# Altium PCB JTAG-批量下载V06.PcbDoc (part 2 of 13) (continued)
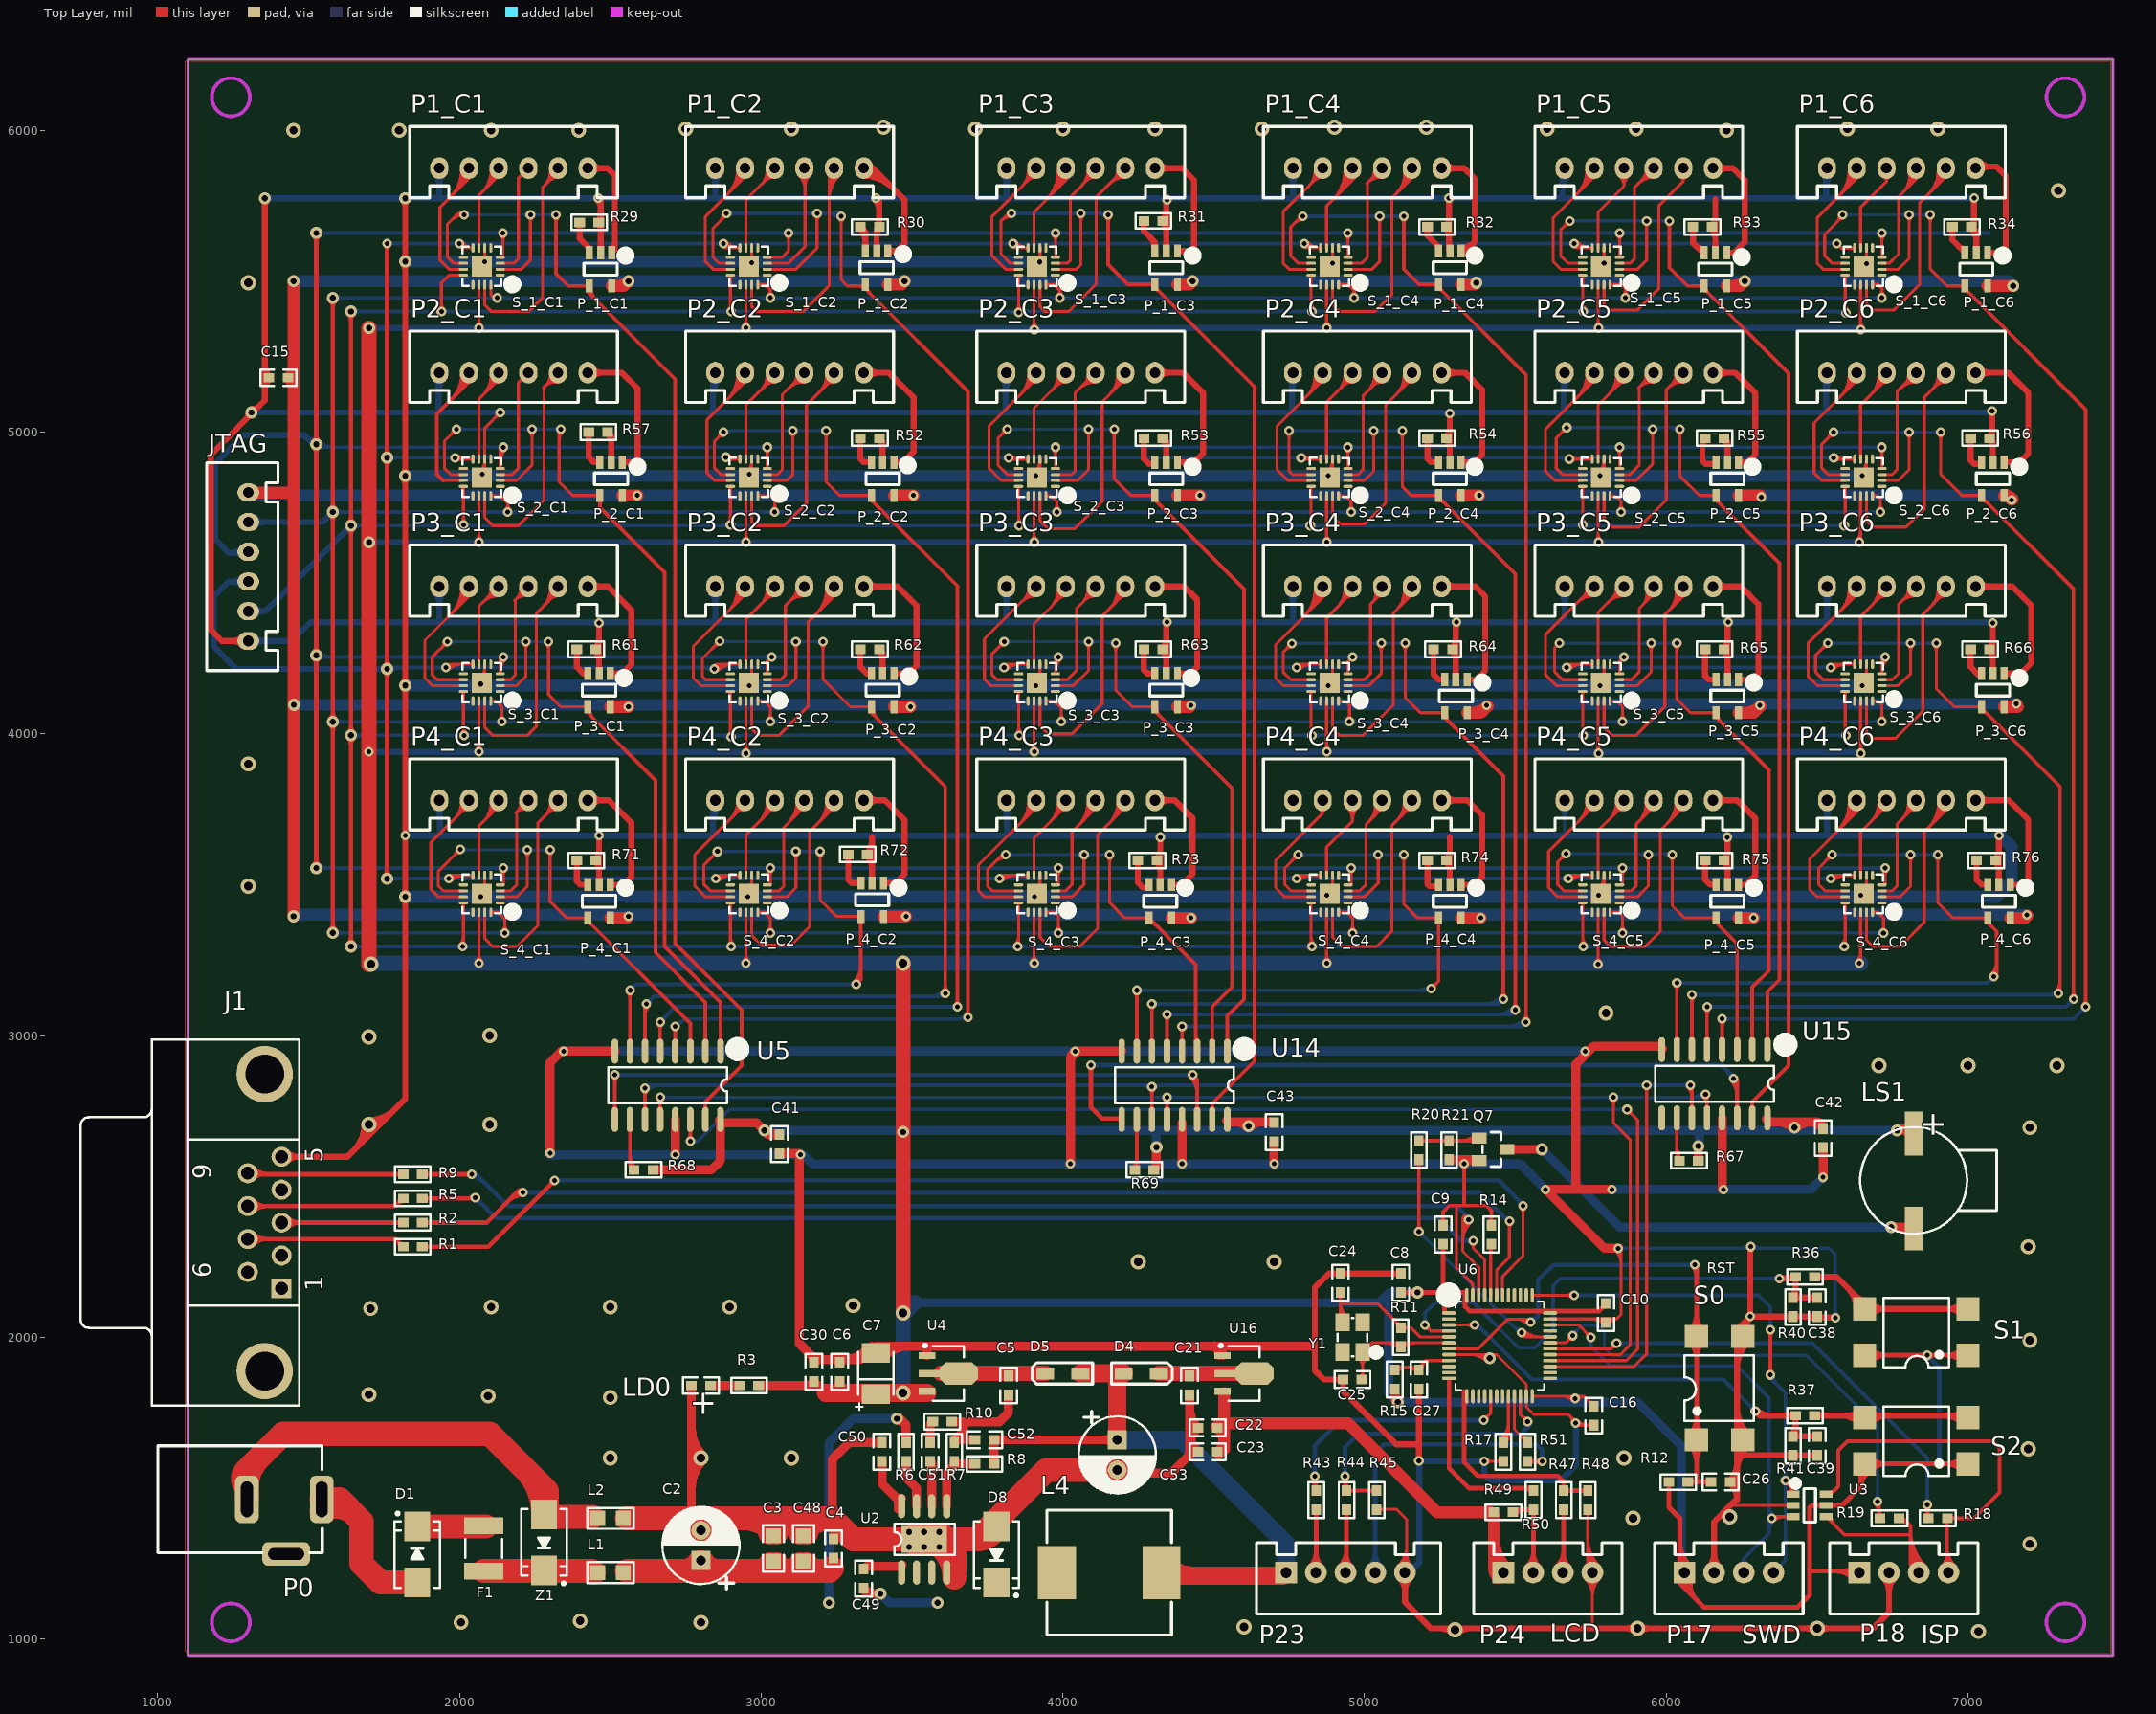
[diagram p0: Top Layer view]
## Nets (pads, with @x,y where several pads share a name; then routed paths per layer and width w, separated by ;. In a path a pad name is that pad's centre, name@x,y a point inside that pad or via, vN(x,y) a via of type N, cw(c..) or ccw(c..) an arc to the next point about the centre after c; other vN are vias at no path point) (continued)
  Top Layer w30: R68.1@2650,2555 2835,2555 2865,2585 2865,2710 2985,2710 3023.5,2671.5 C41.1@3060,2671.5 ; R3.1@2991.5,1840 C30.1@3170,1840 ; C30.1@3175,1853.5 3213.5,1815 ; 3260,1820 C6.1@3260,1853.5 ; R69.1@4301.5,2555 4310,2563.5 v3(4310,2630) ; 4558.5,2713.5 C43.1@4690,2713.5 ; v3@5100,1795 R15.2@5100,1828.5 ; R67.1@6106.5,2585 v3(6106.5,2633.5) ; U15.16@6341.5,2713.5 6497.99,2713.5 ; C42.1@6520,2691.5 6497.99,2713.5 ; LS1.1@6820,2690 v3@6770,2690 ; U5.16@2862.05,2718.86 ccw(c2883.44,2740.25) 2883.44,2710 ; U5.16@2862.05,2718.86 ccw(c2883.44,2740.25) 2883.44,2710 ; U5.16@2862.05,2718.86 ccw(c2883.44,2740.25) 2883.44,2710 ; v3@3013.54,2688.54 ccw(c3054.67,2729.67) C41.1@3054.67,2671.5 ; v3@3013.54,2688.54 ccw(c3054.67,2729.67) C41.1@3054.67,2671.5 ; v3@3013.54,2688.54 ccw(c3054.67,2729.67) C41.1@3054.67,2671.5 ; 3145.34,1840 ccw(c3145.34,1881.19) C30.1@3174.47,1852.06 ; 3145.34,1840 ccw(c3145.34,1881.19) C30.1@3174.47,1852.06 ; 3145.34,1840 ccw(c3145.34,1881.19) C30.1@3174.47,1852.06 ; 3316,1815 cw(c3316,1762.85) C7.1@3352.88,1799.73 ; 3316,1815 cw(c3316,1762.85) C7.1@3352.88,1799.73 ; 3316,1815 cw(c3316,1762.85) C7.1@3352.88,1799.73 ; 3330.07,1815 ccw(c3330.07,1847.25) C7.1@3352.88,1824.45 ; 3330.07,1815 ccw(c3330.07,1847.25) C7.1@3352.88,1824.45 ; 3330.07,1815 ccw(c3330.07,1847.25) C7.1@3352.88,1824.45 ; C7.1@3407.12,1799.73 cw(c3444,1762.85) 3444,1815 ; C7.1@3407.12,1799.73 cw(c3444,1762.85) 3444,1815 ; C7.1@3407.12,1799.73 cw(c3444,1762.85) 3444,1815 ; C7.1@3407.12,1824.45 ccw(c3429.93,1847.25) 3429.93,1815 ; C7.1@3407.12,1824.45 ccw(c3429.93,1847.25) 3429.93,1815 ; C7.1@3407.12,1824.45 ccw(c3429.93,1847.25) 3429.93,1815 ; R69.1@4302.94,2555.53 ccw(c4285.88,2572.58) 4310,2572.58 ; R69.1@4302.94,2555.53 ccw(c4285.88,2572.58) 4310,2572.58 ; R69.1@4302.94,2555.53 ccw(c4285.88,2572.58) 4310,2572.58 ; U14.16@4542.05,2718.86 ccw(c4554.98,2731.79) U14.16@4554.98,2713.5 ; U14.16@4542.05,2718.86 ccw(c4554.98,2731.79) U14.16@4554.98,2713.5 ; U14.16@4542.05,2718.86 ccw(c4554.98,2731.79) U14.16@4554.98,2713.5 ; U14.16@4542.05,2718.86 ccw(c4554.98,2731.79) U14.16@4554.98,2713.5 ; U14.16@4542.05,2718.86 ccw(c4554.98,2731.79) U14.16@4554.98,2713.5 ; U14.16@4542.05,2718.86 ccw(c4554.98,2731.79) U14.16@4554.98,2713.5 ; 4570.33,2713.5 cw(c4570.33,2655.33) v3@4611.46,2696.46 ; 4570.33,2713.5 cw(c4570.33,2655.33) v3@4611.46,2696.46 ; 4570.33,2713.5 cw(c4570.33,2655.33) v3@4611.46,2696.46 ; v3@4618.54,2696.46 cw(c4659.67,2655.33) 4659.67,2713.5 ; v3@4618.54,2696.46 cw(c4659.67,2655.33) 4659.67,2713.5 ; v3@4618.54,2696.46 cw(c4659.67,2655.33) 4659.67,2713.5 ; R15.2@5100,1821.21 ccw(c5146.21,1821.21) v3@5113.54,1788.54 ; R15.2@5100,1821.21 ccw(c5146.21,1821.21) v3@5113.54,1788.54 ; R15.2@5100,1821.21 ccw(c5146.21,1821.21) v3@5113.54,1788.54 ; U15.16@6332.05,2723.86 ccw(c6357.05,2748.86) 6357.05,2713.5 ; U15.16@6332.05,2723.86 ccw(c6357.05,2748.86) 6357.05,2713.5 ; U15.16@6332.05,2723.86 ccw(c6357.05,2748.86) 6357.05,2713.5 ; 6368.26,2713.5 cw(c6368.26,2638.26) v3@6421.46,2691.46 ; 6368.26,2713.5 cw(c6368.26,2638.26) v3@6421.46,2691.46 ; 6368.26,2713.5 cw(c6368.26,2638.26) v3@6421.46,2691.46 ; 6407.32,2712.68 cw(c6409.32,2710.68) 6409.32,2713.5 ; 6407.32,2712.68 cw(c6409.32,2710.68) 6409.32,2713.5 ; 6407.32,2712.68 cw(c6409.32,2710.68) 6409.32,2713.5 ; v3@6428.54,2691.46 cw(c6481.74,2638.26) 6481.74,2713.5 ; v3@6428.54,2691.46 cw(c6481.74,2638.26) 6481.74,2713.5 ; v3@6428.54,2691.46 cw(c6481.74,2638.26) 6481.74,2713.5 ; 6440.68,2713.5 cw(c6440.68,2710.68) 6442.68,2712.68 ; 6440.68,2713.5 cw(c6440.68,2710.68) 6442.68,2712.68 ; 6440.68,2713.5 cw(c6440.68,2710.68) 6442.68,2712.68 ; 6469.81,2713.5 cw(c6469.81,2643.28) C42.1@6519.47,2692.94 ; 6469.81,2713.5 cw(c6469.81,2643.28) C42.1@6519.47,2692.94 ; 6469.81,2713.5 cw(c6469.81,2643.28) C42.1@6519.47,2692.94 ; 6497.99,2713.5 cw(c6497.99,2692.21) C42.1@6519.25,2693.42 ; 6497.99,2713.5 cw(c6497.99,2692.21) C42.1@6519.25,2693.42 ; 6497.99,2713.5 cw(c6497.99,2692.21) C42.1@6519.25,2693.42 ; v3@6768.54,2681.46 cw(c6789.14,2660.86) 6789.14,2690 ; v3@6768.54,2681.46 cw(c6789.14,2660.86) 6789.14,2690 ; v3@6768.54,2681.46 cw(c6789.14,2660.86) 6789.14,2690 ; v3@6770,2690 cw(c6770,2648.34) LS1.1@6806.76,2667.94 ; v3@6770,2690 cw(c6770,2648.34) LS1.1@6806.76,2667.94 ; v3@6770,2690 cw(c6770,2648.34) LS1.1@6806.76,2667.94
  Top Layer w50: v2@1700,3235 v3(1700,5345) ; v2(3470,2080) v2(3470,3240)
  Top Layer w60: 3213.5,1815 U4.3@3550,1815
  Bottom Layer w16: v1(6865,1940) 6905,1900 v1(6905,1580) ; v1@6865,1932 cw(c6865,1912.69) 6878.66,1926.34 ; v1@6865,1932 cw(c6865,1912.69) 6878.66,1926.34 ; v1@6865,1932 cw(c6865,1912.69) 6878.66,1926.34 ; v1@6873,1940 ccw(c6892.31,1940) 6878.66,1926.34 ; v1@6873,1940 ccw(c6892.31,1940) 6878.66,1926.34 ; v1@6873,1940 ccw(c6892.31,1940) 6878.66,1926.34 ; v1@6899.34,1585.66 ccw(c6885.69,1599.31) 6905,1599.31 ; v1@6899.34,1585.66 ccw(c6885.69,1599.31) 6905,1599.31 ; v1@6899.34,1585.66 ccw(c6885.69,1599.31) 6905,1599.31 ; 6905,1599.31 ccw(c6924.31,1599.31) v1@6910.66,1585.66 ; 6905,1599.31 ccw(c6924.31,1599.31) v1@6910.66,1585.66 ; 6905,1599.31 ccw(c6924.31,1599.31) v1@6910.66,1585.66
  Bottom Layer w20: v3@1690,5345 v1@6645,5345 ; v1(1700,3940) v1@6645,3940 ; v3(1700,4635) v1(6640,4635) ; v3@1707.07,4627.93 cw(c1724.14,4610.86) 1724.14,4635 ; v3@1707.07,4627.93 cw(c1724.14,4610.86) 1724.14,4635 ; v3@1707.07,4627.93 cw(c1724.14,4610.86) 1724.14,4635 ; v3@1707.07,4642.07 ccw(c1724.14,4659.14) 1724.14,4635 ; v3@1707.07,4642.07 ccw(c1724.14,4659.14) 1724.14,4635 ; v3@1707.07,4642.07 ccw(c1724.14,4659.14) 1724.14,4635 ; v3@1707.07,5337.93 cw(c1724.14,5320.86) 1724.14,5345 ; v3@1707.07,5337.93 cw(c1724.14,5320.86) 1724.14,5345 ; v3@1707.07,5337.93 cw(c1724.14,5320.86) 1724.14,5345 ; v3@1707.07,5352.07 ccw(c1724.14,5369.14) 1724.14,5345 ; v3@1707.07,5352.07 ccw(c1724.14,5369.14) 1724.14,5345 ; v3@1707.07,5352.07 ccw(c1724.14,5369.14) 1724.14,5345 ; 2932.56,5345 ccw(c2932.56,5362.44) v1@2944.89,5350.11 ; 2932.56,5345 ccw(c2932.56,5362.44) v1@2944.89,5350.11 ; 2932.56,5345 ccw(c2932.56,5362.44) v1@2944.89,5350.11 ; v1@2953.38,5350.11 ccw(c2965.71,5362.44) 2965.71,5345 ; v1@2953.38,5350.11 ccw(c2965.71,5362.44) 2965.71,5345 ; v1@2953.38,5350.11 ccw(c2965.71,5362.44) 2965.71,5345 ; 2923.44,3940 cw(c2923.44,3908.44) 2945.76,3930.76 ccw(c2923.44,3908.44) 2923.44,3940 ; v1@2954.24,3930.76 cw(c2976.56,3908.44) 2976.56,3940 ccw(c2976.56,3908.44) v1@2954.24,3930.76 ; 3878.44,5345 cw(c3878.44,5313.44) 3900.76,5335.76 ccw(c3878.44,5313.44) 3878.44,5345 ; v1@3909.24,5335.76 cw(c3931.56,5313.44) 3931.56,5345 ccw(c3931.56,5313.44) v1@3909.24,5335.76 ; 5748.44,3940 cw(c5748.44,3908.44) 5770.76,3930.76 ccw(c5748.44,3908.44) 5748.44,3940 ; v1@5779.24,3930.76 cw(c5801.56,3908.44) 5801.56,3940 ccw(c5801.56,3908.44) v1@5779.24,3930.76 ; 6618.44,3940 cw(c6618.44,3908.44) 6640.76,3930.76 ccw(c6618.44,3908.44) 6618.44,3940 ; 6618.44,5345 cw(c6618.44,5313.44) 6640.76,5335.76 ccw(c6618.44,5313.44) 6618.44,5345
  Bottom Layer w30: v3(3010,2685) v3(6765,2685) ; 3510,2115 5050,2115 5083.5,2148.5 v3(5175,2148.5) ; v3(4310,2630) 4310,2680 ; 5080,2140 5080,1815 v3(5110,1785) 5905,1785 6050,1640 P17.1@6050,1225 ; 5666.37,1785 ccw(c5666.37,1828.63) v1@5697.22,1797.78 ; v1@5698.64,1797.78 ccw(c5729.49,1828.63) 5729.49,1785 ; v3@6110,2637.01 6110,2685 ; 3445.86,2685 cw(c3445.86,2655.86) v3@3466.46,2676.46 ; 3445.86,2685 cw(c3445.86,2655.86) v3@3466.46,2676.46 ; 3445.86,2685 cw(c3445.86,2655.86) v3@3466.46,2676.46 ; v3@3473.54,2676.46 cw(c3494.14,2655.86) 3494.14,2685 ; v3@3473.54,2676.46 cw(c3494.14,2655.86) 3494.14,2685 ; v3@3473.54,2676.46 cw(c3494.14,2655.86) 3494.14,2685 ; v3@6102.96,2637.04 ccw(c6085.97,2654.03) 6110,2654.03 ; v3@6102.96,2637.04 ccw(c6085.97,2654.03) 6110,2654.03 ; v3@6102.96,2637.04 ccw(c6085.97,2654.03) 6110,2654.03 ; 4566.72,2685 ccw(c4566.72,2748.28) 4611.46,2703.54 cw(c4566.72,2748.28) 4566.72,2685 ; v3@4618.54,2703.54 ccw(c4663.28,2748.28) 4663.28,2685 cw(c4663.28,2748.28) v3@4618.54,2703.54 ; 6050,1294.84 ccw(c6134.84,1294.84) 6074.85,1234.85 cw(c6134.84,1294.84) 6050,1294.84 ; 6388.79,2685 ccw(c6388.79,2731.21) 6421.46,2698.54 cw(c6388.79,2731.21) 6388.79,2685 ; v3@6428.54,2698.54 ccw(c6461.21,2731.21) 6461.21,2685 cw(c6461.21,2731.21) v3@6428.54,2698.54
  Bottom Layer w50: v2@1700,3240 v1@6645,3240 ; v2(3470,1815) 3470,2075 3510,2115
  other v1: 5697.93,1797.07 2065,3240 2950,3240 3905,3240 4875,3240 6640,3240 2950,3935 5775,3935 6645,3935 2065,3940 3905,3940 4875,3940 2065,4635 2950,4635 3905,4635 4875,4635 5775,4635 3905,5340 6645,5340 2065,5345 4875,5345 5775,5345
  other v2: 1706.6,3236.6
  other v3: 3470,2680 6425,2695 4615,2700
5V: C22.1 C23.2 P24.1 R49.2 U16.3 | length 3615.5
  Top Layer w20: C23.2@4520,1615 4535,1630 ; R49.2@5428.5,1420 5428.5,1251.5 P24.1@5460,1220 ; C23.2@4515.33,1625.44 ccw(c4521.51,1643.49) 4535,1630 ; C23.2@4515.33,1625.44 ccw(c4521.51,1643.49) 4535,1630 ; C23.2@4515.33,1625.44 ccw(c4521.51,1643.49) 4535,1630 ; 5428.5,1262.24 ccw(c5502.24,1262.24) P24.1@5450.1,1210.1 ; 5428.5,1262.24 ccw(c5502.24,1262.24) P24.1@5450.1,1210.1 ; 5428.5,1262.24 ccw(c5502.24,1262.24) P24.1@5450.1,1210.1 ; 5428.5,1310.52 ccw(c5550.52,1310.52) P24.1@5464.24,1224.24 ; 5428.5,1310.52 ccw(c5550.52,1310.52) P24.1@5464.24,1224.24 ; 5428.5,1310.52 ccw(c5550.52,1310.52) P24.1@5464.24,1224.24 ; 5428.5,1358.81 ccw(c5598.81,1358.81) P24.1@5478.38,1238.38 ; 5428.5,1358.81 ccw(c5598.81,1358.81) P24.1@5478.38,1238.38 ; 5428.5,1358.81 ccw(c5598.81,1358.81) P24.1@5478.38,1238.38
  Top Layer w40: 4535,1630 U16.3@4535,1815 ; P24.1@5428.5,1251.5 5428.5,1410 5418.5,1420 5240,1420 4945,1715 4535,1715 ; C22.1@4510.07,1702.56 cw(c4535,1683.8) 4535,1715 ; C22.1@4510.07,1702.56 cw(c4535,1683.8) 4535,1715 ; C22.1@4510.07,1702.56 cw(c4535,1683.8) 4535,1715 ; C22.1@4510.46,1703.01 cw(c4539.41,1674.05) 4539.41,1715 ; C22.1@4510.46,1703.01 cw(c4539.41,1674.05) 4539.41,1715 ; C22.1@4510.46,1703.01 cw(c4539.41,1674.05) 4539.41,1715 ; C23.2@4516.47,1616.99 ccw(c4471.74,1661.73) 4535,1661.73 ; C23.2@4516.47,1616.99 ccw(c4471.74,1661.73) 4535,1661.73 ; C23.2@4516.47,1616.99 ccw(c4471.74,1661.73) 4535,1661.73 ; C22.1@4516.47,1696.99 ccw(c4471.74,1741.73) 4535,1741.73 ; C22.1@4516.47,1696.99 ccw(c4471.74,1741.73) 4535,1741.73 ; C22.1@4516.47,1696.99 ccw(c4471.74,1741.73) 4535,1741.73 ; C22.1@4516.47,1703.01 cw(c4471.74,1658.27) 4535,1658.27 ; C22.1@4516.47,1703.01 cw(c4471.74,1658.27) 4535,1658.27 ; C22.1@4516.47,1703.01 cw(c4471.74,1658.27) 4535,1658.27 ; P24.1@5428.5,1238.1 ccw(c5478.1,1238.1) P24.1@5443.03,1203.03 ; P24.1@5428.5,1238.1 ccw(c5478.1,1238.1) P24.1@5443.03,1203.03 ; P24.1@5428.5,1238.1 ccw(c5478.1,1238.1) P24.1@5443.03,1203.03 ; 5428.5,1334.67 ccw(c5574.67,1334.67) P24.1@5471.31,1231.31 ; 5428.5,1334.67 ccw(c5574.67,1334.67) P24.1@5471.31,1231.31 ; 5428.5,1334.67 ccw(c5574.67,1334.67) P24.1@5471.31,1231.31
8V: C52.1 C53.1 D4.1 D5.1 L4.2 P23.1 R8.2 | length 2730.2
  Top Layer w30: R8.2@3771.5,1580 C52.1@3771.5,1660 C53.1@4180,1660 ; 4140.18,1660 ccw(c4140.18,1699.82) C53.1@4168.34,1671.66 ; 4140.18,1660 cw(c4140.18,1620.18) C53.1@4168.34,1648.34 ; 4140.18,1660 ccw(c4140.18,1699.82) C53.1@4168.34,1671.66 ; 4140.18,1660 cw(c4140.18,1620.18) C53.1@4168.34,1648.34 ; 4140.18,1660 ccw(c4140.18,1699.82) C53.1@4168.34,1671.66 ; 4140.18,1660 cw(c4140.18,1620.18) C53.1@4168.34,1648.34
  Top Layer w40: 4180,1851.58 cw(c4220.51,1851.58) D4.1@4191.86,1880.22 ; 4180,1851.58 cw(c4220.51,1851.58) D4.1@4191.86,1880.22 ; 4180,1851.58 cw(c4220.51,1851.58) D4.1@4191.86,1880.22
  Top Layer w60: D5.1@4058.07,1880 D4.1@4201.93,1880 ; C53.1@4180,1660 D4.1@4180,1880 ; L4.2@4330,1210 4730,1210 P23.1@4740,1220 ; L4.2@4349.79,1243.33 ccw(c4430.25,1323.79) 4430.25,1210 ; L4.2@4349.79,1243.33 ccw(c4430.25,1323.79) 4430.25,1210 ; L4.2@4349.79,1243.33 ccw(c4430.25,1323.79) 4430.25,1210 ; 4701.37,1210 ccw(c4701.37,1258.63) P23.1@4735.76,1224.24 ; 4701.37,1210 ccw(c4701.37,1258.63) P23.1@4735.76,1224.24 ; 4701.37,1210 ccw(c4701.37,1258.63) P23.1@4735.76,1224.24
  Bottom Layer w60: C53.1@4180,1660 4395,1660 4740,1315 P23.1@4740,1220
12V: C2.1 C3.1 C4.1 C48.1 L1.1 R6.2 U2.2 | length 2860.7
  Top Layer w30: v3(3450,1730) 3460,1730 3480,1710 R6.2@3480,1651.5 ; v3@3450,1725 cw(c3450,1688.79) 3475.61,1714.39 ; v3@3450,1725 cw(c3450,1688.79) 3475.61,1714.39 ; v3@3450,1725 cw(c3450,1688.79) 3475.61,1714.39
  Top Layer w80: L1.1@2555,1225 3225,1225 3235,1235 ; 2780,1225 C2.1@2800,1245 ; 2736.03,1225 ccw(c2736.03,1323.97) C2.1@2806.01,1253.99 ; 2736.03,1225 ccw(c2736.03,1323.97) C2.1@2806.01,1253.99 ; 2736.03,1225 ccw(c2736.03,1323.97) C2.1@2806.01,1253.99 ; C2.1@2793.99,1253.99 ccw(c2863.97,1323.97) 2863.97,1225 ; C2.1@2793.99,1253.99 ccw(c2863.97,1323.97) 2863.97,1225 ; C2.1@2793.99,1253.99 ccw(c2863.97,1323.97) 2863.97,1225 ; 2997.21,1225 ccw(c2997.21,1300.51) C3.1@3050.61,1247.12 ; 2997.21,1225 ccw(c2997.21,1300.51) C3.1@3050.61,1247.12 ; 2997.21,1225 ccw(c2997.21,1300.51) C3.1@3050.61,1247.12 ; C3.1@3029.39,1247.12 ccw(c3082.79,1300.51) 3082.79,1225 ; C3.1@3029.39,1247.12 ccw(c3082.79,1300.51) 3082.79,1225 ; C3.1@3029.39,1247.12 ccw(c3082.79,1300.51) 3082.79,1225 ; 3097.21,1225 ccw(c3097.21,1300.51) C48.1@3150.61,1247.12 ; 3097.21,1225 ccw(c3097.21,1300.51) C48.1@3150.61,1247.12 ; 3097.21,1225 ccw(c3097.21,1300.51) C48.1@3150.61,1247.12 ; C48.1@3129.39,1247.12 ccw(c3182.79,1300.51) 3182.79,1225 ; C48.1@3129.39,1247.12 ccw(c3182.79,1300.51) 3182.79,1225 ; C48.1@3129.39,1247.12 ccw(c3182.79,1300.51) 3182.79,1225
  Bottom Layer w30: v3(3225,1120) 3225,1650 3305,1730 v3(3450,1730)
12V+: F1.2 L1.2 Z1.K | length 370.4
  Top Layer w80: F1.2@2080,1225.2 2439.8,1225.2 L1.2@2445,1220 ; Z1.K@2277.72,1225.2 Z1.K@2280,1227.48
12V-: L2.2 P0.2 Z1.A | length 2469.6
  Top Layer w80: P0.2@1295.27,1462.83 1295.27,1560.27 ; Z1.A@2280,1405 L2.2@2440,1405 ; Z1.A@2290,1405 2290,1490 2100,1680 1415,1680 1295.27,1560.27 ; P0.2@1294.64,1502.2 cw(c1433.32,1502.2) 1335.26,1600.26 ; P0.2@1294.64,1502.2 cw(c1433.32,1502.2) 1335.26,1600.26 ; P0.2@1294.64,1502.2 cw(c1433.32,1502.2) 1335.26,1600.26 ; P0.2@1294.82,1501.77 cw(c1324.76,1530.79) 1295.27,1560.27 ; P0.2@1294.82,1501.77 cw(c1324.76,1530.79) 1295.27,1560.27 ; P0.2@1294.82,1501.77 cw(c1324.76,1530.79) 1295.27,1560.27 ; 2216.67,1563.33 cw(c2071.77,1418.43) Z1.A@2276.69,1418.43 ; 2216.67,1563.33 cw(c2071.77,1418.43) Z1.A@2276.69,1418.43 ; 2216.67,1563.33 cw(c2071.77,1418.43) Z1.A@2276.69,1418.43
BEEP_CON: R20.1 U6.32 | length 1330.3
  Top Layer w10: v1@5513.64,2008.64 ccw(c5531.44,2026.44) 5531.44,2001.26 ; v1(5520,2015) 5533.74,2001.26 U6.32@5614.65,2001.26 ; v1@5520.71,2015.71 ccw(c5555.59,2050.59) 5555.59,2001.26 ; v1@5527.78,2022.78 ccw(c5579.73,2074.73) 5579.73,2001.26
  Top Layer w12: v1@5180,2345 R20.1@5180,2588.5 ; v1@5172.93,2357.07 ccw(c5155.86,2374.14) 5180,2374.14 ; v1@5172.93,2357.07 ccw(c5155.86,2374.14) 5180,2374.14 ; v1@5172.93,2357.07 ccw(c5155.86,2374.14) 5180,2374.14 ; R20.1@5173.11,2579.64 cw(c5156.47,2563) 5180,2563 ; R20.1@5173.11,2579.64 cw(c5156.47,2563) 5180,2563 ; R20.1@5173.11,2579.64 cw(c5156.47,2563) 5180,2563 ; 5180,2374.14 ccw(c5204.14,2374.14) v1@5187.07,2357.07 ; 5180,2374.14 ccw(c5204.14,2374.14) v1@5187.07,2357.07 ; 5180,2374.14 ccw(c5204.14,2374.14) v1@5187.07,2357.07 ; 5180,2563 cw(c5203.53,2563) R20.1@5186.89,2579.64 ; 5180,2563 cw(c5203.53,2563) R20.1@5186.89,2579.64 ; 5180,2563 cw(c5203.53,2563) R20.1@5186.89,2579.64
  Bottom Layer w10: v1(5180,2350) 5515,2015 v1(5520,2015) ; 5198.78,2331.22 ccw(c5180,2312.44) 5180,2339 cw(c5180,2312.44) 5198.78,2331.22 ; 5198.78,2331.22 cw(c5217.56,2350) 5191,2350 ccw(c5217.56,2350) 5198.78,2331.22 ; 5492.69,2037.31 ccw(c5520,2064.63) 5520,2026 cw(c5520,2064.63) 5492.69,2037.31 ; 5504.76,2025.24 cw(c5494.51,2015) 5509,2015 ccw(c5494.51,2015) 5504.76,2025.24
BOOT0: R14.2 U6.44 | length 292.6
  Top Layer w10: U6.44@5417.8,2139.06 5417.8,2306.3 R14.2@5420,2308.5 ; R14.2@5412.4,2298.94 cw(c5399.37,2285.91) 5417.8,2285.91 ; R14.2@5412.4,2298.94 cw(c5399.37,2285.91) 5417.8,2285.91 ; R14.2@5412.4,2298.94 cw(c5399.37,2285.91) 5417.8,2285.91 ; 5417.8,2275.26 cw(c5451.27,2275.26) R14.2@5427.6,2298.94 ; 5417.8,2275.26 cw(c5451.27,2275.26) R14.2@5427.6,2298.94 ; 5417.8,2275.26 cw(c5451.27,2275.26) R14.2@5427.6,2298.94
BOOT1: R17.2 U6.20 | length 396.9
  Top Layer w10: R17.2@5452.4,1661.06 ccw(c5393.37,1720.09) 5476.85,1720.09 ; R17.2@5459.47,1653.99 ccw(c5417.51,1695.95) 5476.85,1695.95 ; R17.2@5460,1651.5 5476.85,1668.35 ; R17.2@5466.54,1646.92 ccw(c5441.66,1671.81) 5476.85,1671.81 ; U6.20@5476.85,1804.41 5476.85,1668.35 ; R17.2@5462.2,1663.98 ccw(c5465.5,1679.7) 5476.85,1668.35 ; R17.2@5462.2,1663.98 ccw(c5465.5,1679.7) 5476.85,1668.35 ; R17.2@5462.2,1663.98 ccw(c5465.5,1679.7) 5476.85,1668.35 ; R17.2@5470.75,1653.52 cw(c5491.58,1653.61) 5476.85,1668.35 ; R17.2@5470.75,1653.52 cw(c5491.58,1653.61) 5476.85,1668.35 ; R17.2@5470.75,1653.52 cw(c5491.58,1653.61) 5476.85,1668.35
EN_1_C1: P_1_C1.4 S_1_C1.2 S_1_C1.10 U5.15 | length 5417.1
  Top Layer w10: S_1_C1.10@2012.95,5559.37 1980.63,5559.37 1960,5580 1960,5690 1995,5725 ; v1@2020,5725 1995,5725 ; S_1_C1.2@2135,5539.69 2204.68,5539.69 2235,5570 v1(2235,5720) ; 1970.62,5700.62 cw(c2015,5656.23) v1@2015,5719 ; 1970.62,5700.62 cw(c2015,5656.23) v1@2015,5719 ; 1970.62,5700.62 cw(c2015,5656.23) v1@2015,5719 ; 1987.69,5717.69 cw(c2015,5690.37) v1@2015,5729 ; 1987.69,5717.69 cw(c2015,5690.37) v1@2015,5729 ; 1987.69,5717.69 cw(c2015,5690.37) v1@2015,5729 ; 1995,5725 cw(c1995,5715.5) v1@2004.27,5717.59 ; 1995,5725 cw(c1995,5715.5) v1@2004.27,5717.59 ; 1995,5725 cw(c1995,5715.5) v1@2004.27,5717.59 ; v1@2227.22,5712.22 cw(c2208.44,5693.44) 2235,5693.44 ; v1@2227.22,5712.22 cw(c2208.44,5693.44) 2235,5693.44 ; v1@2227.22,5712.22 cw(c2208.44,5693.44) 2235,5693.44 ; 2235,5693.44 cw(c2261.56,5693.44) v1@2242.78,5712.22 ; 2235,5693.44 cw(c2261.56,5693.44) v1@2242.78,5712.22 ; 2235,5693.44 cw(c2261.56,5693.44) v1@2242.78,5712.22
  Top Layer w12: v1(2320,5720) 2320,5525 2360.24,5484.76 P_1_C1.4@2430.2,5484.76 2430.2,5459.8 2715,5175 2715,3305 2935,3085 2935,2900 2815,2780 U5.15@2815,2735 ; v1@2312.93,5712.93 cw(c2295.86,5695.86) 2320,5695.86 ; v1@2312.93,5712.93 cw(c2295.86,5695.86) 2320,5695.86 ; v1@2312.93,5712.93 cw(c2295.86,5695.86) 2320,5695.86 ; 2320,5695.86 cw(c2344.14,5695.86) v1@2327.07,5712.93 ; 2320,5695.86 cw(c2344.14,5695.86) v1@2327.07,5712.93 ; 2320,5695.86 cw(c2344.14,5695.86) v1@2327.07,5712.93 ; 2416.17,5484.76 ccw(c2416.17,5498.79) P_1_C1.4@2426.09,5488.87 ; 2416.17,5484.76 cw(c2416.17,5470.73) P_1_C1.4@2426.09,5480.65 ; 2416.17,5484.76 ccw(c2416.17,5498.79) P_1_C1.4@2426.09,5488.87 ; 2416.17,5484.76 cw(c2416.17,5470.73) P_1_C1.4@2426.09,5480.65 ; 2416.17,5484.76 ccw(c2416.17,5498.79) P_1_C1.4@2426.09,5488.87 ; 2416.17,5484.76 cw(c2416.17,5470.73) P_1_C1.4@2426.09,5480.65 ; P_1_C1.4@2424.01,5474.92 ccw(c2445.56,5474.92) 2430.32,5459.68 ; P_1_C1.4@2424.01,5474.92 ccw(c2445.56,5474.92) 2430.32,5459.68 ; P_1_C1.4@2424.01,5474.92 ccw(c2445.56,5474.92) 2430.32,5459.68 ; P_1_C1.4@2426.09,5470.81 cw(c2416.17,5460.89) 2430.2,5460.89 ; P_1_C1.4@2426.09,5470.81 cw(c2416.17,5460.89) 2430.2,5460.89 ; P_1_C1.4@2426.09,5470.81 cw(c2416.17,5460.89) 2430.2,5460.89 ; P_1_C1.4@2426.09,5470.81 cw(c2416.17,5460.89) 2430.2,5460.89 ; P_1_C1.4@2426.09,5470.81 cw(c2416.17,5460.89) 2430.2,5460.89 ; P_1_C1.4@2426.09,5470.81 cw(c2416.17,5460.89) 2430.2,5460.89 ; 2430.2,5460.89 cw(c2444.23,5460.89) P_1_C1.4@2434.31,5470.81 ; 2430.2,5460.89 cw(c2444.23,5460.89) P_1_C1.4@2434.31,5470.81 ; 2430.2,5460.89 cw(c2444.23,5460.89) P_1_C1.4@2434.31,5470.81 ; 2430.2,5460.89 cw(c2444.23,5460.89) P_1_C1.4@2434.31,5470.81 ; 2430.2,5460.89 cw(c2444.23,5460.89) P_1_C1.4@2434.31,5470.81 ; 2430.2,5460.89 cw(c2444.23,5460.89) P_1_C1.4@2434.31,5470.81 ; P_1_C1.4@2436.01,5474.92 ccw(c2486.54,5474.92) 2450.81,5439.19 ; P_1_C1.4@2436.01,5474.92 ccw(c2486.54,5474.92) 2450.81,5439.19 ; P_1_C1.4@2436.01,5474.92 ccw(c2486.54,5474.92) 2450.81,5439.19 ; U5.15@2811.59,2755.74 ccw(c2803.35,2763.98) 2815,2763.98 ; U5.15@2811.59,2755.74 ccw(c2803.35,2763.98) 2815,2763.98 ; U5.15@2811.59,2755.74 ccw(c2803.35,2763.98) 2815,2763.98 ; 2815,2763.98 ccw(c2826.65,2763.98) U5.15@2818.41,2755.74 ; 2815,2763.98 ccw(c2826.65,2763.98) U5.15@2818.41,2755.74 ; 2815,2763.98 ccw(c2826.65,2763.98) U5.15@2818.41,2755.74
  Bottom Layer w10: v1(2015,5720) v1(2320,5720) ; 2041.56,5720 ccw(c2041.56,5693.44) 2022.78,5712.22 cw(c2041.56,5693.44) 2041.56,5720 ; 2041.56,5720 cw(c2041.56,5746.56) 2022.78,5727.78 ccw(c2041.56,5746.56) 2041.56,5720 ; 2208.44,5720 ccw(c2208.44,5746.56) 2227.22,5727.78 cw(c2208.44,5746.56) 2208.44,5720 ; 2208.44,5720 cw(c2208.44,5693.44) 2227.22,5712.22 ccw(c2208.44,5693.44) 2208.44,5720 ; 2261.56,5720 ccw(c2261.56,5693.44) 2242.78,5712.22 cw(c2261.56,5693.44) 2261.56,5720 ; 2261.56,5720 cw(c2261.56,5746.56) 2242.78,5727.78 ccw(c2261.56,5746.56) 2261.56,5720 ; 2293.44,5720 ccw(c2293.44,5746.56) 2312.22,5727.78 cw(c2293.44,5746.56) 2293.44,5720 ; 2293.44,5720 cw(c2293.44,5693.44) 2312.22,5712.22 ccw(c2293.44,5693.44) 2293.44,5720
EN_1_C2: P_1_C2.4 S_1_C2.2 S_1_C2.10 U5.4 | length 6224.6
  Top Layer w10: v1@2887.5,5722.5 2840,5675 2840,5580 2860.63,5559.37 S_1_C2.10@2897.95,5559.37 ; S_1_C2.2@3020,5539.69 3114.68,5539.69 3185,5610 v1(3185,5725) ; v1(3265,5715) 3265,5505 3285.24,5484.76 P_1_C2.4@3345.2,5484.76 ; 2862.69,5697.69 ccw(c2835.37,5725) v1@2874,5725 ; 2862.69,5697.69 ccw(c2835.37,5725) v1@2874,5725 ; 2862.69,5697.69 ccw(c2835.37,5725) v1@2874,5725 ; 2874.76,5709.76 cw(c2885,5699.51) v1@2885,5714 ; 2874.76,5709.76 cw(c2885,5699.51) v1@2885,5714 ; 2874.76,5709.76 cw(c2885,5699.51) v1@2885,5714 ; v1@3177.22,5717.22 cw(c3158.44,5698.44) 3185,5698.44 ; v1@3177.22,5717.22 cw(c3158.44,5698.44) 3185,5698.44 ; v1@3177.22,5717.22 cw(c3158.44,5698.44) 3185,5698.44 ; 3185,5698.44 cw(c3211.56,5698.44) v1@3192.78,5717.22 ; 3185,5698.44 cw(c3211.56,5698.44) v1@3192.78,5717.22 ; 3185,5698.44 cw(c3211.56,5698.44) v1@3192.78,5717.22 ; v1@3257.22,5707.22 cw(c3238.44,5688.44) 3265,5688.44 ; v1@3257.22,5707.22 cw(c3238.44,5688.44) 3265,5688.44 ; v1@3257.22,5707.22 cw(c3238.44,5688.44) 3265,5688.44 ; 3265,5688.44 cw(c3291.56,5688.44) v1@3272.78,5707.22 ; 3265,5688.44 cw(c3291.56,5688.44) v1@3272.78,5707.22 ; 3265,5688.44 cw(c3291.56,5688.44) v1@3272.78,5707.22 ; 3317.06,5484.76 cw(c3317.06,5451.79) P_1_C2.4@3340.38,5475.11 ; 3317.06,5484.76 cw(c3317.06,5451.79) P_1_C2.4@3340.38,5475.11 ; 3317.06,5484.76 cw(c3317.06,5451.79) P_1_C2.4@3340.38,5475.11
  Top Layer w12: U5.4@2715,2950 v1(2715,3030) ; P_1_C2.4@3345.2,5484.76 3345.2,5474.8 3685,5135 v1(3685,3060) ; v1@3677.93,3067.07 ccw(c3660.86,3084.14) 3685,3084.14 ccw(c3709.14,3084.14) v1@3692.07,3067.07 ; v1@2707.93,3022.93 cw(c2690.86,3005.86) 2715,3005.86 ; v1@2707.93,3022.93 cw(c2690.86,3005.86) 2715,3005.86 ; v1@2707.93,3022.93 cw(c2690.86,3005.86) 2715,3005.86 ; U5.4@2711.59,2982.11 ccw(c2703.35,2990.35) 2715,2990.35 ; U5.4@2711.59,2982.11 ccw(c2703.35,2990.35) 2715,2990.35 ; U5.4@2711.59,2982.11 ccw(c2703.35,2990.35) 2715,2990.35 ; 2715,2990.35 ccw(c2726.65,2990.35) U5.4@2718.41,2982.11 ; 2715,2990.35 ccw(c2726.65,2990.35) U5.4@2718.41,2982.11 ; 2715,2990.35 ccw(c2726.65,2990.35) U5.4@2718.41,2982.11 ; 2715,3005.86 cw(c2739.14,3005.86) v1@2722.07,3022.93 ; 2715,3005.86 cw(c2739.14,3005.86) v1@2722.07,3022.93 ; 2715,3005.86 cw(c2739.14,3005.86) v1@2722.07,3022.93 ; P_1_C2.4@3351.01,5479.92 ccw(c3377.39,5479.92) 3358.74,5461.26 ; P_1_C2.4@3351.01,5479.92 ccw(c3377.39,5479.92) 3358.74,5461.26 ; P_1_C2.4@3351.01,5479.92 ccw(c3377.39,5479.92) 3358.74,5461.26
  Bottom Layer w12: v1(2715,3030) 2720,3030 2745,3055 v1@3680,3055 ; v1(2885,5725) 3255,5725 v1(3265,5715) ; v1@2715,3040 ccw(c2715,3076.21) 2740.61,3050.61 ; v1@2715,3040 ccw(c2715,3076.21) 2740.61,3050.61 ; v1@2715,3040 ccw(c2715,3076.21) 2740.61,3050.61 ; v1@2892.07,5717.93 cw(c2909.14,5700.86) 2909.14,5725 ; v1@2892.07,5717.93 cw(c2909.14,5700.86) 2909.14,5725 ; v1@2892.07,5717.93 cw(c2909.14,5700.86) 2909.14,5725 ; v1@2892.07,5732.07 ccw(c2909.14,5749.14) 2909.14,5725 ; v1@2892.07,5732.07 ccw(c2909.14,5749.14) 2909.14,5725 ; v1@2892.07,5732.07 ccw(c2909.14,5749.14) 2909.14,5725 ; 3160.86,5725 ccw(c3160.86,5749.14) v1@3177.93,5732.07 ; 3160.86,5725 cw(c3160.86,5700.86) v1@3177.93,5717.93 ; 3160.86,5725 ccw(c3160.86,5749.14) v1@3177.93,5732.07 ; 3160.86,5725 cw(c3160.86,5700.86) v1@3177.93,5717.93 ; 3160.86,5725 ccw(c3160.86,5749.14) v1@3177.93,5732.07 ; 3160.86,5725 cw(c3160.86,5700.86) v1@3177.93,5717.93 ; v1@3192.07,5717.93 cw(c3209.14,5700.86) 3209.14,5725 ; v1@3192.07,5717.93 cw(c3209.14,5700.86) 3209.14,5725 ; v1@3192.07,5717.93 cw(c3209.14,5700.86) 3209.14,5725 ; v1@3192.07,5732.07 ccw(c3209.14,5749.14) 3209.14,5725 ; v1@3192.07,5732.07 ccw(c3209.14,5749.14) 3209.14,5725 ; v1@3192.07,5732.07 ccw(c3209.14,5749.14) 3209.14,5725 ; 3648.79,3055 ccw(c3648.79,3096.21) v1@3677.93,3067.07 ; 3648.79,3055 ccw(c3648.79,3096.21) v1@3677.93,3067.07 ; 3648.79,3055 ccw(c3648.79,3096.21) v1@3677.93,3067.07 ; 3216.72,5725 cw(c3216.72,5666.72) 3257.93,5707.93 ccw(c3216.72,5666.72) 3216.72,5725 ; 3245.69,5725 cw(c3245.69,5695.69) 3266.41,5716.41 ccw(c3245.69,5695.69) 3245.69,5725